# Altium PCB Ali_Main_Board.PcbDoc (part 2 of 3)
Units mm, origin at the board's own origin, x right, y up, seen from the top; angles counter-clockwise.
Board outline 180.2 x 130.2 mm, 2 copper layers (Top Layer, Bottom Layer); 286 components, 198 nets, 878 pads, 305 vias.
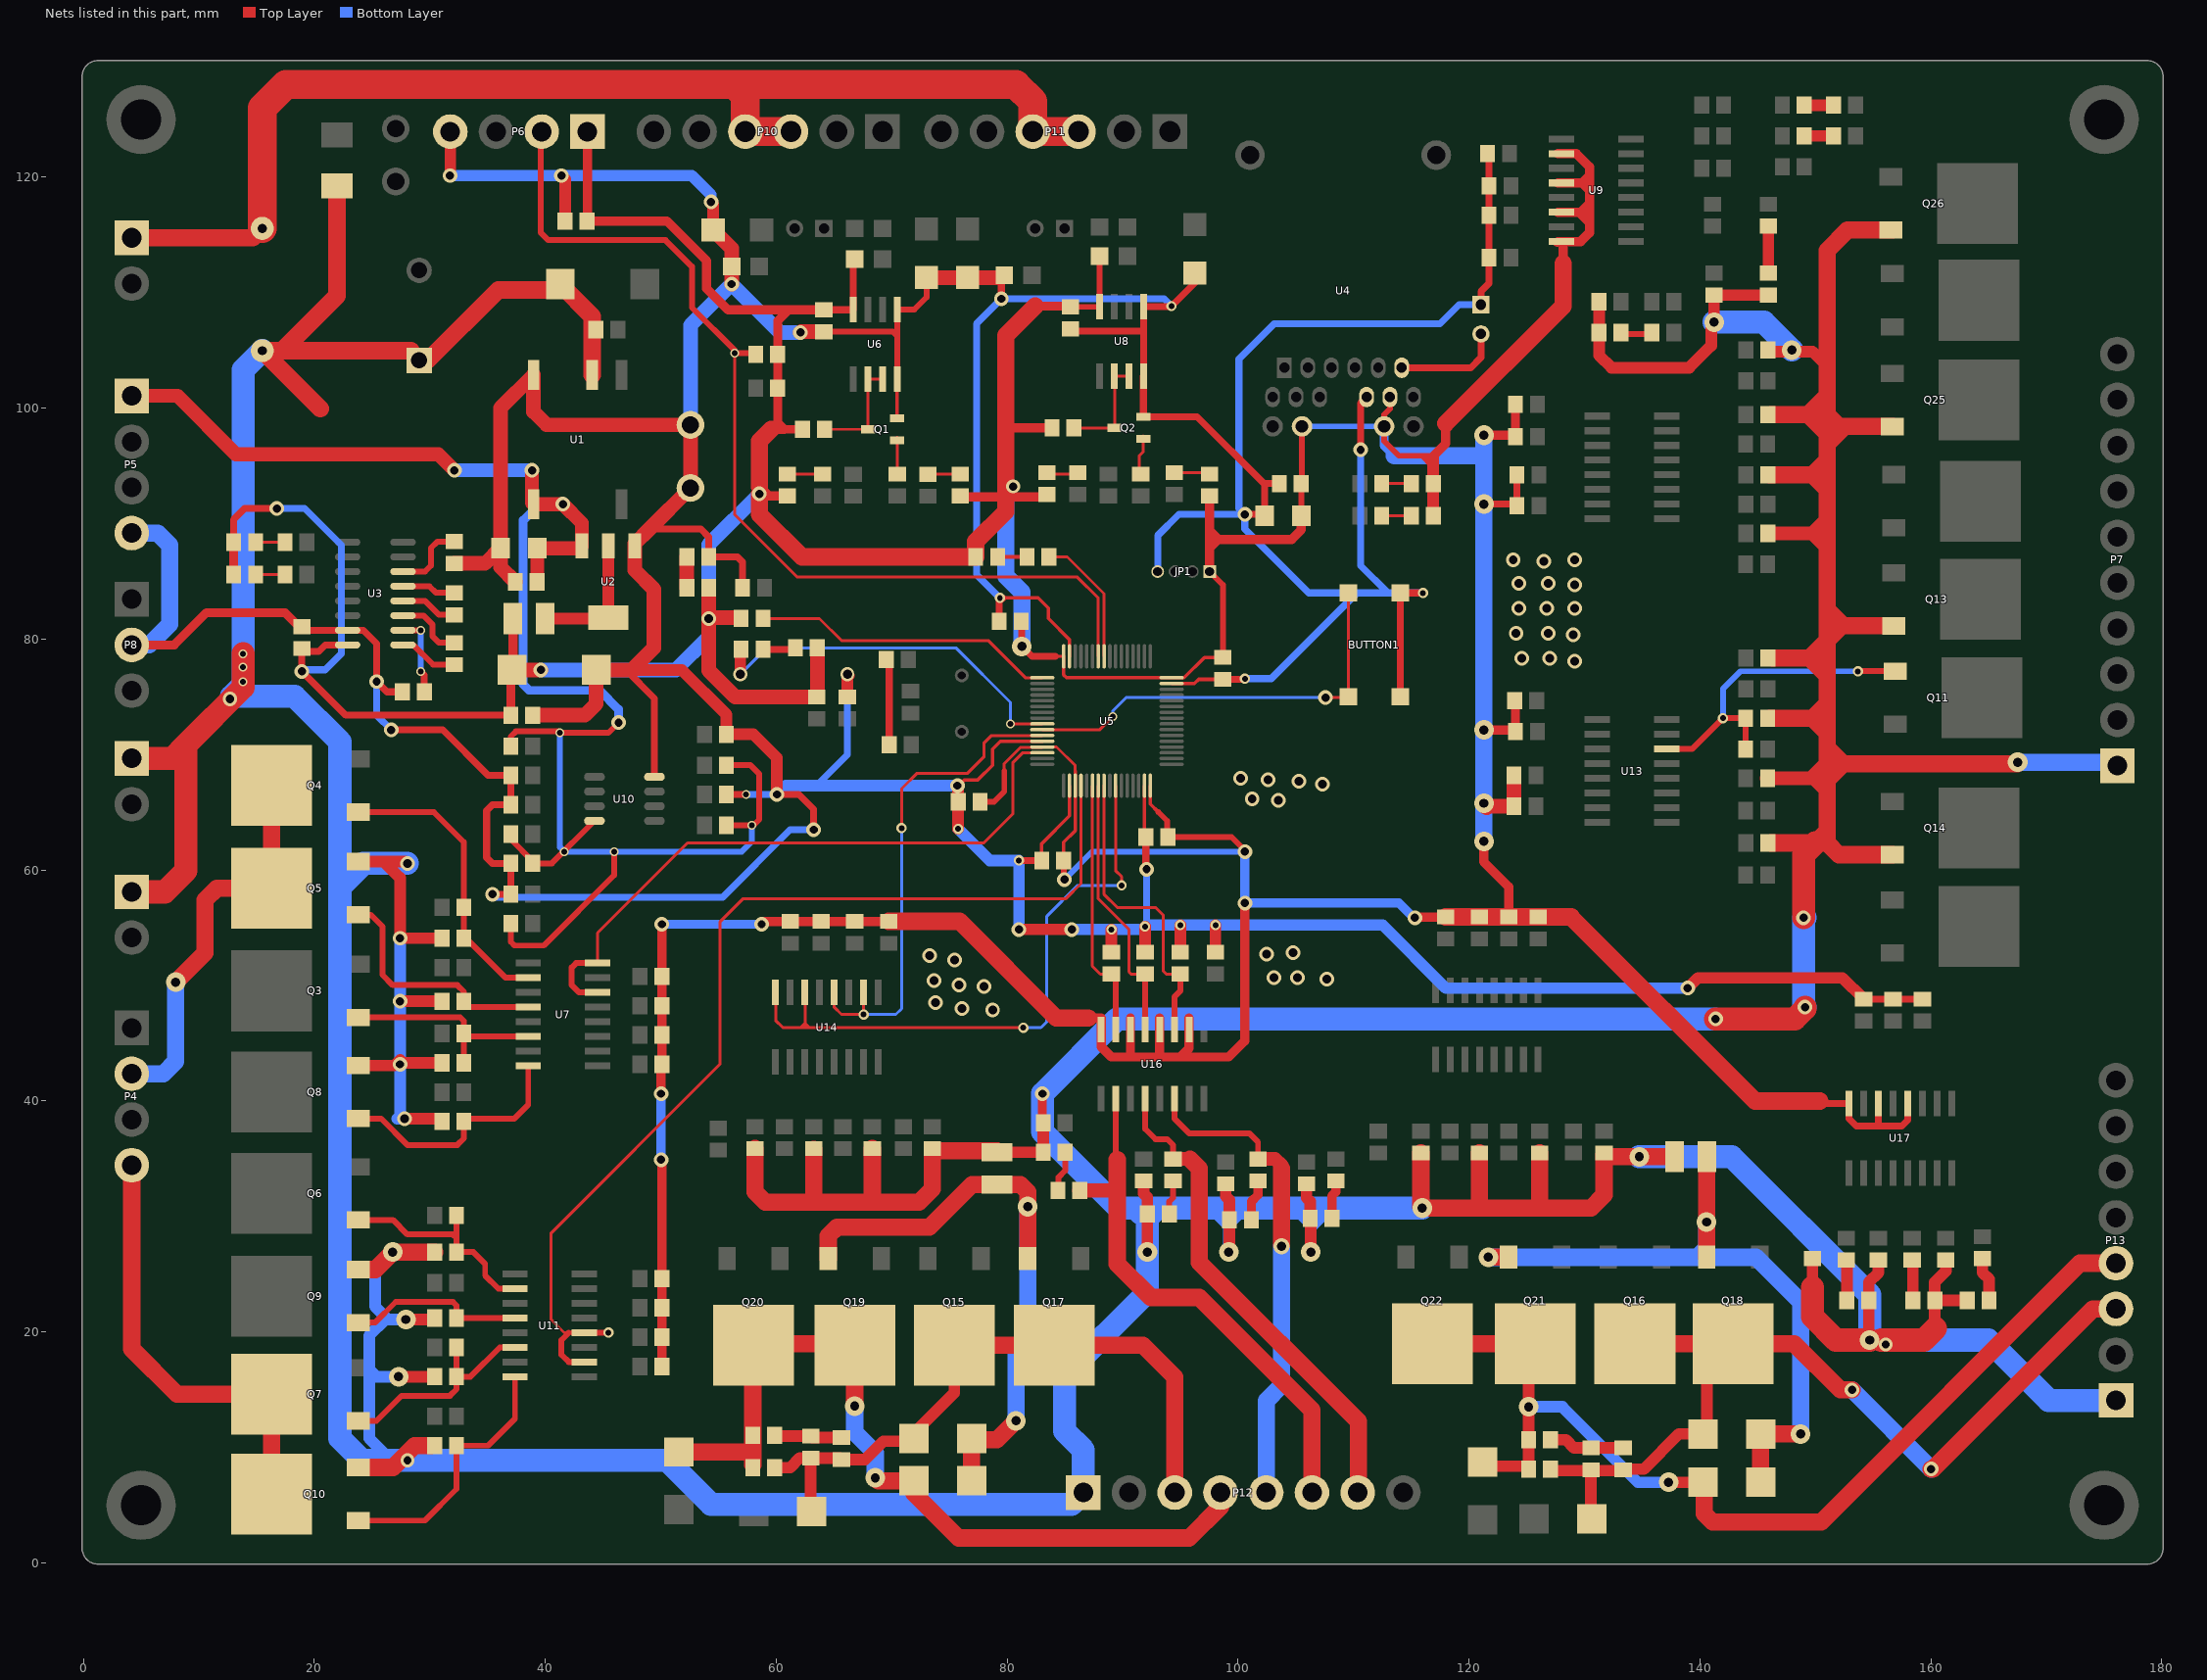
[diagram p2: the nets of this part, all layers, seen from the top]

## Via types
v1: diameter 1.27, hole 0.762, Top Layer to Bottom Layer, 77 vias
v2: diameter 0.889, hole 0.508, Top Layer to Bottom Layer, 68 vias
v3: diameter 1.27, hole 0.711, Top Layer to Bottom Layer, 57 vias
v4: diameter 1.7, hole 0.8, Top Layer to Bottom Layer, 56 vias
v5: diameter 0.762, hole 0.508, Top Layer to Bottom Layer, 31 vias
v6: diameter 1.2, hole 0.7, Top Layer to Bottom Layer, 5 vias
v7: diameter 1.4, hole 0.7, Top Layer to Bottom Layer, 5 vias
v8: diameter 1.2, hole 0.8, Top Layer to Bottom Layer, 2 vias
v9: diameter 1.4, hole 0.8, Top Layer to Bottom Layer, 2 vias
v10: diameter 3.4, hole 3.4, Top Layer to Bottom Layer, 2 vias

## Nets (pads, with @x,y where several pads share a name; then routed paths per layer and width w, separated by ;. In a path a pad name is that pad's centre, name@x,y a point inside that pad or via, vN(x,y) a via of type N, cw(c..) or ccw(c..) an arc to the next point about the centre after c; other vN are vias at no path point) (continued)
+3.3V: C1.2 C6.1 C7.2 C9.1 C13.1 C14.2 C15.2 C17.2 C19.2 C20.2 C21.2 C23.1 C28.1 D4.1 F2.2 JP1.1 P6.1 R1.1 R2.1 R3.1 R4.1 R5.1 R6.1 R8.1 R9.1 R10.1 R11.1 R13.1 R14.1 R16.2 R17.1 R18.1 R19.1 R28.1 R29.1 R34.1 R35.1 R37.1 R38.1 R39.2 R52.1 R74.2 R75.2 R76.2 R77.2 R89.1 R90.1 R91.1 R92.1 R103.2 R104.2 R105.2 R106.2 R123.2 R124.2 R125.1 R126.1 R133.1 R135.1 U3.16 U4.11 U4.14 U4.15 U5.13 U5.19 U5.32 U5.48 U5.64 U6.8 U8.8 U9.10 U9.12 U9.14 U9.16 U16.10 U16.12 U16.14 U16.16 U17.12 U17.14 U17.16 | length 712.4
  Top Layer w0.254: 79.756,68.58 79.756,69.215 81.18,70.639 83.023,70.639 U5.13@83.046,70.662 ; U5.13@83.069,70.685 U5.13@83.046,70.662 ; 84.175,78.512 U5.64@84.896,78.512 ; 85.896,68.58 85.896,69.044 84.278,70.662 U5.13@83.046,70.662
  Top Layer w0.3: U5.64@84.896,78.512 84.896,76.902 85.136,76.662 U5.48@94.246,76.662 95.331,76.662 97.089,78.42 C19.2@98.171,78.42 ; C15.2@84.897,60.833 84.897,62.418 85.896,63.417 U5.19@85.896,67.312 85.896,68.58 ; U5.32@92.396,67.312 92.396,65.719 93.091,65.024
  Top Layer w0.5: C21.2@77.658,65.913 78.867,65.913 79.756,66.802 79.756,68.58 ; C28.1@85.471,108.773 87.993,108.773 U8.8@88.011,108.791 R135.1@88.011,113.157 ; 93.091,65.024 93.853,64.262 C17.2@93.853,62.865 ; C17.2@93.914,62.865 99.441,62.865 v3@100.518,61.788 ; C13.1@105.486,90.678 105.471,90.693 C14.2@105.471,93.472 105.537,93.538 U4.14@105.537,98.425 ; U4.11@113.157,100.965 113.157,99.949 112.649,99.441 U4.15@112.649,98.425 112.649,97.155 113.919,95.885 115.951,95.885 ; 116.332,95.885 116.887,95.33 ; 116.887,94.996 116.84,94.996 ; 115.951,95.885 116.84,94.996 ; 115.951,95.885 116.927,95.885 117.137,96.096 117.137,95.293 116.84,94.996
  Top Layer w0.508: C15.2@84.897,60.833 84.897,59.243 v3(84.958,59.182) ; JP1.1@97.536,85.852 98.679,84.709 C19.2@98.679,78.42
  Top Layer w0.6: R2.1@13.02,88.392 13.02,90.363 13.97,91.313 v3(16.764,91.313) ; C9.1@18.923,79.187 C9.1@18.923,78.933 ; U3.16@22.281,79.502 20.955,79.502 20.386,78.933 C9.1@18.923,78.933 ; C7.2@37.023,73.406 22.733,73.406 v3(18.923,77.216) C9.1@18.923,78.933 ; C23.1@64.135,108.519 66.657,108.519 U6.8@66.675,108.537 66.675,112.776 R133.1@66.802,112.903 ; C20.2@81.214,81.534 81.28,81.468 v4(81.28,79.375) 82.143,78.512 84.175,78.512 ; v4(121.285,91.694) R106.2@123.891,91.694 ; R106.2@124.145,91.567 R105.2@124.145,94.234 ; 150.368,40.005 150.591,39.782 U17.16@152.908,39.782 152.908,38.481 153.543,37.846 155.321,37.846 ; U17.14@155.448,39.782 155.448,37.973 155.321,37.846 ; U17.12@157.988,40.203 U17.12@157.988,39.782 157.988,38.354 157.48,37.846 155.321,37.846
  Top Layer w0.762: 61.087,108.519 60.132,107.564 R8.1@60.132,104.648 R9.1@60.132,101.727 60.132,98.745 60.706,98.171 R34.1@62.296,98.171
  Top Layer w0.8: R3.1@13.02,85.598 R2.1@13.02,88.392 ; C7.2@37.023,73.406 37.023,77.249 C6.1@37.117,77.343 37.208,77.434 F2.2@37.208,81.788 ; C7.2@37.117,73.439 C7.2@37.15,73.406 ; C1.2@43.622,116.205 C1.2@43.659,116.205 ; P6.1@43.659,123.952 C1.2@43.659,116.205 ; v3(50.038,34.925) 50.099,34.864 R39.2@50.099,24.638 R52.1@50.099,22.098 R38.1@50.099,19.558 R37.1@50.099,17.018 ; v3(50.038,40.64) 50.038,43.119 R16.2@50.099,43.18 R19.1@50.099,50.8 v3(50.099,55.311) ; 58.547,93.218 59.37,92.395 ; v3(58.74,55.311) 58.989,55.56 R124.2@61.228,55.56 R89.1@69.737,55.56 ; 59.563,92.395 R14.1@61.087,92.395 ; 59.563,98.171 60.706,98.171 ; C23.1@64.135,108.519 61.087,108.519 55.819,108.519 53.975,110.363 53.975,112.776 50.546,116.205 C1.2@43.659,116.205 ; R13.1@75.894,92.329 R29.1@82.931,92.329 ; 79.883,98.298 R35.1@83.886,98.298 ; 82.423,108.839 85.405,108.839 C28.1@85.471,108.773 ; 87.037,47.202 88.138,47.202 88.138,44.704 89.027,43.815 90.551,43.815 ; U16.14@90.678,47.202 90.678,43.942 90.551,43.815 ; U16.12@93.218,47.202 93.218,43.942 93.091,43.815 ; U16.10@95.758,47.202 95.758,44.577 94.996,43.815 ; JP1.1@97.536,85.852 97.536,87.884 ; 97.536,89.408 98.298,88.646 ; R28.1@97.536,92.522 97.536,88.646 ; v3(100.584,57.15) 100.584,45.212 99.187,43.815 94.996,43.815 ; C13.1@105.486,90.678 105.471,90.663 105.471,89.469 104.648,88.646 98.425,88.646 ; v3(115.316,55.88) 115.377,55.941 R126.1@117.983,55.941 ; 116.629,95.588 117.983,96.941 117.983,98.171 118.237,98.425 ; R126.1@118.364,55.941 R92.1@123.444,55.941 123.444,58.547 121.285,60.706 v4(121.285,62.484) ; v4(121.285,72.136) R75.2@123.952,72.136 ; v4(121.285,97.663) R104.2@124.018,97.663 ; R74.2@123.952,74.676 124.018,74.61 R75.2@124.018,72.009 ; R104.2@124.018,97.536 R104.2@124.018,97.663 ; R103.2@124.018,100.33 R104.2@124.018,97.663 ; U9.16@127.635,114.371 127.691,114.427 129.667,114.427 130.429,115.189 130.429,120.904 129.286,122.047 U9.10@127.691,122.047 ; U9.14@127.691,116.967 129.54,116.967 ; U9.12@127.691,119.507 129.794,119.507 ; 128.143,112.522 128.143,113.863 ; 130.429,116.205 130.302,116.205 129.54,116.967 ; 130.429,116.967 129.54,116.967 ; 130.429,117.729 129.667,116.967 129.54,116.967 ; 130.429,118.872 129.794,119.507 ; 130.429,119.507 129.794,119.507 ; 130.429,120.142 129.794,119.507 ; 90.551,43.815 93.091,43.815 ; 93.091,43.815 94.996,43.815 ; 97.536,87.884 98.298,88.646 ; 97.536,87.884 97.536,88.646 ; 97.536,88.646 98.425,88.646 ; 98.298,88.646 98.425,88.646
  Top Layer w1: R4.1@116.887,90.678 116.887,95.33
  Top Layer w1.27: C6.1@37.117,77.343 v3(39.624,77.343) ; R1.1@54.163,84.455 v1@54.163,81.849 ; D4.1@56.962,81.788 56.901,81.849 v1@54.163,81.849 ; v3(58.547,92.583) 58.547,93.218 ; R10.1@63.561,79.248 63.561,75.052 R6.1@63.5,74.991 56.454,74.991 54.163,77.282 v1(54.163,81.788) v1@54.163,81.849 ; v4@121.539,65.532 R77.2@123.891,65.532 R76.2@123.891,68.199
  Top Layer w1.5: v3(58.547,92.583) 58.547,90.805 62.23,87.122 R11.1@77.282,87.122 77.282,88.458 79.883,91.059 79.883,106.299 82.423,108.839 ; 58.547,93.218 58.547,97.155 59.563,98.171 ; R89.1@69.737,55.56 R89.1@69.737,55.56 75.882,55.562 84.243,47.202 87.037,47.202 ; R126.1@117.983,55.941 R125.1@120.904,55.941 R92.1@123.444,55.941 R91.1@125.984,55.941 128.844,55.941 144.78,40.005 150.368,40.005 ; 117.983,98.679 128.143,108.839 128.143,112.522 ; v4(121.285,65.786) v4@121.539,65.532
  Bottom Layer w0.5: U4.14@105.537,98.425 U4.15@112.649,98.425
  Bottom Layer w0.508: v3(84.958,59.182) 87.371,61.595 v3(100.584,61.595)
  Bottom Layer w0.6: v3@16.571,91.12 v3(16.764,91.313) 19.177,91.313 22.352,88.138 22.352,78.74 20.955,77.343 19.05,77.343 v3(18.923,77.216)
  Bottom Layer w0.8: v3(50.038,34.925) v3(50.038,40.64) ; v3(50.099,55.311) v3(58.74,55.311) ; v3(100.584,61.595) v3(100.584,57.15) 113.919,57.15 115.189,55.88 v3(115.316,55.88) ; U4.15@112.649,98.425 112.649,96.774 113.538,95.885
  Bottom Layer w1.27: v3(39.624,77.343) 51.308,77.343 54.163,80.198 v1(54.163,81.788) 54.163,88.199 v3(58.547,92.583)
  Bottom Layer w1.5: 79.883,92.964 79.883,85.471 81.28,84.074 ; v4(81.28,79.375) 81.28,83.82 ; 113.538,95.885 121.158,95.885 ; v4(121.285,62.484) v4(121.285,65.786) v4(121.285,72.136) v4(121.285,91.694) v4(121.285,97.663)
  other v6: 80.518,93.218
+5V: C4.1 C5.2 C33.2 P5.1 R73.1 R138.2 R139.2 R140.1 R141.2 U1.5 U2.3 U10.8 | length 157.2
  Top Layer w0.508: R138.2@37.023,55.372 37.023,53.782 37.338,53.467 39.878,53.467 45.974,59.563 v5(45.974,61.595) ; R141.2@37.023,63.119 37.023,62.672 C33.2@38.923,60.772 ; R140.1@37.023,70.739 37.023,71.567 37.465,72.009 41.148,72.009 v5(41.275,71.882) 45.466,71.882 v3(46.355,72.771) ; C33.2@38.923,60.579 40.58,60.579 U10.8@44.263,64.262 ; v3(41.529,91.694) v3@41.541,91.682 ; R139.2@55.687,63.881 v5(57.912,63.881) 58.039,63.881 58.547,64.389 58.547,68.326 57.785,69.088 R73.1@55.687,69.088
  Top Layer w1.2: P5.1@4.191,101.063 8.157,101.063 13.208,96.012 30.734,96.012 v3(32.131,94.615) ; v3(38.862,94.615) 38.862,91.809 U1.5@38.989,91.682 41.541,91.682 43.166,90.057 U2.3@43.166,88.063 42.972,87.869 39.304,87.869 C5.2@39.304,84.963
  Bottom Layer w0.508: v5(41.275,71.882) 41.275,61.976 v5(41.656,61.595) v5(45.974,61.595) 57.023,61.595 57.912,62.484 v5(57.912,63.881)
  Bottom Layer w0.762: v3(41.529,91.694) 39.497,91.694 38.1,90.297 38.1,76.073 38.608,75.565 44.704,75.565 46.355,73.914 v3(46.355,72.771)
  Bottom Layer w1.2: v3(32.131,94.615) v3(38.862,94.615)
+24V: C2.1 C3.2 C36.1 D1.2 F1.2 F3.2 F4.2 P2.1 P3.1 P7.1 P12.1 P13.1 Q5.3 Q8.3 Q9.3 Q10.3 Q13.3 Q14.3 Q25.3 Q26.3 R24.2 R25.2 R26.2 R27.2 R42.1 R43.1 R46.1 R47.1 R55.2 R56.2 R57.2 R58.2 R60.1 R61.1 R63.1 R64.1 R66.1 R67.1 R69.1 R70.1 R78.1 R79.1 R82.2 R83.2 R85.2 R87.2 R93.2 R95.2 R96.2 R97.2 R107.2 R108.2 R109.2 R110.2 R117.2 R118.2 R119.2 R120.2 R127.1 R128.1 R129.1 R130.1 U1.2 | length 918.6
  Top Layer w0.762: v3(83.058,40.64) 83.058,38.166 R67.1@83.124,38.1
  Top Layer w1: Q8.3@23.816,43.081 26.952,43.081 27.432,43.561 27.686,43.307 R25.2@31.054,43.307 ; Q5.3@23.816,60.734 26.035,60.734 ; v4(27.305,16.129) R56.2@30.419,16.129 ; v3(27.432,48.641) R26.2@31.054,48.641 ; v1(27.813,38.481) R24.2@31.054,38.481 ; v4(27.94,21.082) 30.292,21.082 R57.2@30.419,21.209 ; v1(28.067,60.579) 27.912,60.734 26.035,60.734 ; R27.2@31.054,54.102 v3(27.432,54.102) 27.432,59.337 26.035,60.734 ; F3.2@79.121,35.563 R66.1@83.121,35.563 ; R66.1@83.124,35.56 R67.1@83.124,38.1 ; R70.1@91.821,33.086 91.821,32.004 92.141,31.684 R69.1@92.141,30.226 v4@92.141,26.985 ; R79.1@98.933,32.832 98.933,31.75 99.253,31.43 99.253,26.99 v4(99.187,26.924) ; R64.1@105.918,32.832 105.918,31.623 106.238,31.303 R63.1@106.238,29.845 106.299,29.784 v4(106.299,26.924) ; R46.1@131.257,109.22 R42.1@131.257,106.553 131.257,104.582 132.334,103.505 139.065,103.505 140.97,105.41 140.97,107.188 v4(141.224,107.442) R47.1@141.224,109.794 R43.1@145.923,109.794 ; R117.2@145.923,104.902 149.733,104.902 151.003,103.632 151.003,103.505 ; 149.733,23.876 R61.1@149.733,26.355 ; v4(154.686,19.304) 154.62,19.37 R60.1@154.62,22.733 154.62,24.318 155.448,25.146 R129.1@155.448,26.228 ; 160.401,20.32 160.335,20.386 R127.1@160.335,22.733 ; R130.1@161.29,26.228 161.29,25.273 160.335,24.318 R127.1@160.335,22.733 ; R128.1@163.134,22.733 R127.1@160.335,22.733
  Top Layer w1.2: R85.2@145.796,67.945 149.606,67.945 ; R120.2@145.871,89.154 149.733,89.154 ; 150.749,67.945 149.606,67.945 ; 151.003,66.802 149.86,67.945 149.606,67.945 ; 151.003,69.469 151.003,69.342 149.606,67.945 ; 151.003,87.757 151.003,87.884 149.733,89.154 ; 151.003,89.154 149.733,89.154 ; 151.003,90.551 151.003,90.424 149.733,89.154
  Top Layer w1.5: 20.523,99.949 F1.2@15.494,104.978 17.221,104.978 ; D1.2@21.971,119.253 21.971,109.728 17.221,104.978 ; Q10.3@23.816,8.269 26.811,8.269 28.702,10.16 R55.2@30.099,10.16 ; Q9.3@23.816,25.414 25.287,25.414 v4(26.797,26.924) R58.2@30.419,26.924 ; C36.1@28.372,104.978 17.221,104.978 ; C36.1@29.083,104.14 29.845,104.14 35.941,110.236 C2.1@40.292,110.236 ; C2.1@41.308,110.744 41.308,110.711 44.069,107.95 U1.2@44.069,102.882 ; R108.2@58.166,35.88 58.166,32.131 59.055,31.242 72.39,31.242 73.533,32.385 73.533,35.623 73.597,35.687 F3.2@79.121,35.687 ; 63.246,31.496 R107.2@63.246,35.828 ; 68.326,31.242 R97.2@68.326,35.88 ; R110.2@115.824,35.499 115.824,30.861 v4(115.951,30.734) 130.556,30.734 131.699,31.877 R95.2@131.699,35.306 ; 120.904,30.734 R109.2@120.904,35.499 ; 125.984,30.734 126.111,30.861 R96.2@126.111,35.499 ; R95.2@131.768,35.179 v4(134.747,35.179) F4.2@137.792,35.179 ; R83.2@146.05,73.152 149.733,73.152 ; R119.2@146.05,94.234 149.733,94.234 ; R87.2@146.177,62.357 149.987,62.357 ; R118.2@146.177,99.441 149.352,99.441 ; R82.2@146.304,78.359 149.479,78.359 ; 150.749,78.359 149.479,78.359 ; 150.876,73.152 149.733,73.152 ; 151.003,69.342 151.003,67.945 ; 151.003,69.596 151.003,70.612 ; 151.003,87.757 151.003,82.55 ; 151.003,87.884 151.003,89.154 151.003,90.424 151.003,92.964 ; 151.003,103.505 151.003,101.092 ; 151.003,103.632 151.003,113.665 152.767,115.429 Q26.3@156.665,115.429 ; 151.257,69.215 152.4,69.215 ; 151.592,98.425 152.527,98.425 ; 151.638,81.153 152.4,81.153 ; Q14.3@156.651,61.327 152.033,61.327 151.003,62.357 ; Q13.3@156.679,81.153 152.4,81.153 ; Q25.3@156.718,98.425 152.527,98.425 ; v4@167.473,69.215 152.4,69.215 ; 149.352,99.441 151.003,101.092 ; 149.352,99.441 151.003,97.79 ; 149.352,99.441 151.003,99.441 ; 149.479,78.359 152.273,81.153 152.4,81.153 ; 149.479,78.359 150.749,77.089 151.003,77.089 ; 149.733,73.152 151.003,71.882 ; 149.733,73.152 151.003,74.422 ; 149.733,94.234 151.003,95.504 ; 149.733,94.234 151.003,92.964 ; 149.733,94.234 151.003,94.234 ; 149.987,62.357 151.003,63.373 ; 149.987,62.357 151.003,62.357 ; 151.003,62.357 151.003,63.373 ; 151.003,63.373 151.003,66.802 151.003,67.945 ; 151.003,67.945 151.13,67.945 152.4,69.215 ; 151.003,70.612 152.4,69.215 ; 151.003,70.612 151.003,71.882 ; 151.003,71.882 151.003,74.422 ; 151.003,74.422 151.003,77.089 ; 151.003,77.089 151.003,82.55 ; 151.003,82.55 152.4,81.153 ; 151.003,92.964 151.003,94.234 ; 151.003,94.234 151.003,95.504 ; 151.003,95.504 151.003,96.901 ; 151.003,96.901 152.527,98.425 ; 151.003,96.901 151.003,97.79 ; 151.003,97.79 151.003,99.441 ; 151.003,99.441 152.019,98.425 152.527,98.425 ; 151.003,99.441 151.003,101.092
  Top Layer w2: P2.1@4.191,58.114 7.06,58.114 8.897,59.951 8.897,70.873 ; P3.1@4.191,69.671 7.695,69.671 8.897,70.873 ; v5(13.843,78.74) v5(13.843,77.597) v5(13.843,76.327) 13.843,75.819 8.897,70.873 ; v3(141.351,47.117) 148.209,47.117 149.098,48.006 v3(149.098,48.132) ; v3(148.971,55.88) 148.971,61.341 149.987,62.357 ; 149.733,23.876 149.733,21.336 151.765,19.304 v4(154.686,19.304) ; v6@155.702,19.304 159.385,19.304 160.401,20.32
  Bottom Layer w1: 26.67,8.89 24.765,10.795 24.765,16.764 ; v4(26.797,26.924) 25.273,25.4 25.273,22.225 26.416,21.082 ; v1@27.178,38.481 v1(27.813,38.481) 27.432,38.862 v3(27.432,48.641) v3(27.432,54.102) ; v4(27.305,16.129) 25.4,16.129 24.765,16.764 ; v4(27.94,21.082) 26.416,21.082 ; 91.06,30.098 91.313,29.845 ; 92.904,29.91 93.092,30.098 ; 98.043,30.354 99.059,29.338 ; v4(99.187,26.924) 99.187,30.353 99.568,30.734 ; 99.188,29.338 100.204,30.354 ; 105.155,30.481 106.171,29.465 ; v4(106.299,26.924) 106.299,30.607 106.426,30.734 ; 106.299,29.083 107.315,30.099 ; 24.765,16.764 24.765,19.685 26.162,21.082 26.416,21.082
  Bottom Layer w1.5: v4(167.513,69.342) 175.728,69.342 P7.1@176.149,68.921
  Bottom Layer w2: P3.1@4.191,69.671 P3.1@4.52,69.342 ; F1.2@15.494,104.978 13.843,103.327 v5(13.843,78.74) v5(13.843,77.597) v5(13.843,76.327) 13.843,76.073 12.827,75.057 18.173,75.057 18.183,75.048 18.297,75.048 22.225,71.12 22.225,58.547 ; v1(28.067,60.579) 24.257,60.579 22.225,58.547 ; 92.141,30.673 v4(92.141,26.924) 92.141,23.434 84.963,16.256 84.963,11.43 86.597,9.796 P12.1@86.597,6.096 85.581,5.08 54.356,5.08 50.546,8.89 v6(28.067,8.89) 26.67,8.89 24.13,8.89 22.225,10.795 22.225,58.547 ; 92.141,30.734 89.662,30.734 83.058,37.338 v3(83.058,40.64) 89.535,47.117 v3(141.351,47.117) ; 92.202,30.734 99.568,30.734 106.426,30.734 v4(115.951,30.734) ; v4(134.747,35.179) 142.748,35.179 154.686,23.241 v4@154.686,20.066 ; v4(141.224,107.442) 145.542,107.442 v4(147.955,105.029) ; v3@149.098,48.142 148.971,48.269 v3(148.971,55.88) v3@149.098,55.88 ; 156.718,19.304 164.973,19.304 170.197,14.08 P13.1@176.022,14.08
  other v1: 12.7,74.803
  other v3: 27.432,43.18
  other v6: 156.083,18.923
+24VIN: F1.1 P1.1 P10.3 P10.4 P11.3 P11.4 | length 105.2
  Top Layer w1.5: P1.1@4.191,114.756 14.68,114.756 F1.1@15.494,115.57
  Top Layer w2.5: F1.1@15.494,115.57 15.494,125.984 17.526,128.016 56.388,128.016 ; P10.3@61.289,123.952 P10.4@57.329,123.952 57.329,127.075 56.388,128.016 ; P11.3@86.181,123.952 P11.4@82.221,123.952 82.221,126.567 80.772,128.016 56.388,128.016
A1: C31.2 D6.1 D7.2 LED14.2 LED16.1 P12.3 Q15.2 Q17.2 | length 57.7
  Top Layer w1: C31.2@59.878,8.255 61.214,8.255 62.042,9.083 LED14.2@62.992,9.083 ; D7.2@62.992,4.445 LED14.2@62.992,9.083 ; Q15.2@75.438,18.856 75.438,14.732 71.922,11.216 D6.1@71.922,10.795 71.922,10.541 69.276,10.541 67.691,8.956 LED16.1@65.659,8.956 65.532,9.083 LED14.2@62.992,9.083
  Top Layer w1.5: Q15.2@75.438,18.856 Q17.2@84.074,18.856 91.761,18.856 94.517,16.1 P12.3@94.517,6.096
A2: C32.2 D10.1 D11.2 LED15.2 LED17.1 P13.3 Q16.2 Q18.2 | length 79.5
  Top Layer w1: C32.2@127.061,8.128 127.188,8.001 LED17.1@130.516,8.001 ; D11.2@130.556,3.81 130.556,8.001 LED15.2@133.096,8.001 ; LED15.2@133.665,8.133 135.133,8.133 138.176,11.176 D10.1@140.248,11.176 D10.1@139.867,11.557 ; Q16.2@134.366,18.983 Q16.2@134.427,18.922 ; Q18.2@140.248,16.356 Q18.2@142.875,18.983 ; D10.1@140.589,11.176 Q18.2@140.589,16.356
  Top Layer w1.5: Q16.2@134.366,18.983 Q18.2@142.875,18.983 148.149,18.983 152.146,14.986 v3(153.162,14.986) ; v3(160.02,8.128) 160.147,8.128 174.019,22 P13.3@176.022,22
  Bottom Layer w1.5: v3(153.162,14.986) v3(160.02,8.128)
B1: C31.1 D8.1 D9.2 P12.4 Q19.2 Q20.2 R101.1 | length 73
  Top Layer w1.5: D9.2@51.562,9.612 57.764,9.612 57.978,9.398 ; C31.1@57.978,8.509 R101.1@57.978,11.049 Q20.2@57.978,18.983 ; Q20.2@58.039,18.983 66.675,18.983 Q19.2@66.802,18.856 v4(66.802,13.589) ; v4(68.58,7.366) 68.834,7.112 D8.1@71.922,7.112 71.922,6.056 75.819,2.159 95.758,2.159 98.477,4.878 P12.4@98.477,6.096
  Bottom Layer w1.5: v4(66.802,13.589) 66.802,11.303 68.58,9.525 v4(68.58,7.366)
B2: C32.1 D12.1 D13.2 P13.4 Q21.2 Q22.2 R102.1 | length 90.1
  Top Layer w1: D13.2@121.412,8.382 C32.1@124.947,8.382 ; C32.1@124.947,8.342 C32.1@125.161,8.128 R102.1@125.161,10.668 v4(125.161,13.523) ; v4@125.095,13.589 v4(125.161,13.523) ; Q21.2@125.73,18.983 125.161,18.414 v4(125.161,13.523) ; v4(137.287,6.985) D12.1@140.248,6.985 D12.1@140.375,6.985
  Top Layer w1.5: Q22.2@116.967,18.856 Q22.2@116.84,18.983 Q21.2@125.73,18.983 ; D12.1@140.375,6.985 140.375,4.278 141.097,3.556 150.495,3.556 172.899,25.96 P13.4@176.022,25.96
  Bottom Layer w1: v4(125.161,13.523) 128.082,13.523 134.62,6.985 v4@137.414,6.985
DATA: P6.2 R8.2 U5.58 | length 87.9
  Top Layer w0.254: P6.2@39.116,123.369 P6.2@39.471,123.724 ; v5(56.388,104.775) 56.388,90.805 61.83,85.363 86.087,85.363 87.896,83.554 U5.58@87.896,78.512 U5.58@87.919,78.535
  Top Layer w0.508: P6.2@39.471,123.724 39.624,123.571 39.624,115.189 40.259,114.554 50.419,114.554 52.705,112.268 52.705,108.712 56.388,105.029 v5(56.388,104.775) 58.105,104.775 R8.2@58.232,104.648
DIR1: P4.2 Q4.2 Q5.2 | length 34.1
  Top Layer w1.5: v4(8.001,50.292) 10.541,52.832 10.541,57.404 11.571,58.434 Q5.2@16.316,58.434 Q4.2@16.316,67.324
  Bottom Layer w1.5: P4.2@4.191,42.366 6.933,42.366 8.001,43.434 v4@8.001,50.038
DIR1_OUT: U5.14 U7.6 U7.8 | length 56.6
  Top Layer w0.254: U7.8@44.529,51.943 44.529,54.562 52.324,62.357 77.978,62.357 80.518,64.897 80.518,69.335 81.322,70.139 83.023,70.139 U5.14@83.046,70.162
  Top Layer w0.508: U7.6@44.529,49.403 42.926,49.403 42.291,50.038 42.291,51.562 42.672,51.943 U7.8@44.529,51.943
DIR2: P4.4 Q7.2 Q10.2 | length 38.3
  Top Layer w1.5: P4.4@4.191,34.446 4.191,18.542 8.128,14.605 Q7.2@16.316,14.605 Q10.2@16.316,5.969
DIR2_OUT: U5.20 U11.2 U11.4 | length 92.5
  Top Layer w0.254: U11.4@42.418,19.939 42.037,19.939 41.656,19.939 40.513,21.082 40.513,28.575 55.118,43.18 55.118,55.499 57.15,57.531 85.09,57.531 86.396,58.837 U5.20@86.396,67.312
  Top Layer w0.508: 42.037,19.939 41.402,19.304 41.402,18.034 42.037,17.399 U11.2@43.386,17.399 ; U11.4@42.418,19.939 U11.4@43.386,19.939 v2(45.466,19.939)
  Bottom Layer w0.254: 44.45,20.066 44.577,19.939 v2(45.466,19.939)
GND: BUTTON1.3 BUTTON1.4 C1.1 C4.2 C5.1 C6.2 C7.1 C8.2 C9.2 C10.2 C13.2 C14.1 C15.1 C16.1 C17.1 C18.1 C19.1 C20.1 C21.1 C22.1 C23.2 C28.2 C29.2 C30.1 C33.1 C34.2 C35.1 CB1.1 D5.2 D14.1 D15.2 D16.1 JP1.4 LED1.2 P5.4 P6.4 P8.2 PT3.1 PT4.1 Q1.2 Q2.2 R7.1 R48.1 R49.1 R50.1 R51.1 R62.1 R65.1 R68.1 R71.1 R80.1 R131.1 R132.1 R134.2 R136.2 R137.2 U1.4 U2.1 U3.15 U4.10 U5.12 U5.18 U5.31 U5.47 U5.63 U6.4 U6.5 U8.4 U8.5 U10.4 | length 726.6
  Top Layer w0.3: Q1.2@70.465,99.375 Q1.2@70.485,99.395 ; Q1.2@70.485,99.375 Q1.2@70.485,99.395 ; U6.4@70.485,102.489 Q1.2@70.485,99.395 ; v3@75.758,67.244 76.332,67.818 77.47,67.818 78.74,69.088 78.74,70.485 79.417,71.162 U5.12@83.046,71.162 ; v2@79.629,83.566 82.677,83.566 83.566,82.677 83.566,81.788 85.396,79.958 U5.63@85.396,78.512 ; C15.1@82.997,60.833 82.997,62.296 85.396,64.695 U5.18@85.396,67.312 ; 91.628,106.873 91.821,106.68 ; U8.4@91.801,102.771 U8.4@91.821,102.791 ; C17.1@91.896,62.865 U5.31@91.896,67.312 ; U5.47@94.246,76.162 96.228,76.162 96.586,76.52 C19.1@98.171,76.52
  Top Layer w0.508: C23.2@64.135,106.619 70.104,106.619 70.485,106.238 ; U6.4@70.485,102.489 U6.4@70.485,102.537 70.485,106.238 ; D5.2@73.025,111.311 73.025,109.601 71.961,108.537 U6.5@70.485,108.537 70.485,106.238
  Top Layer w0.6: C9.2@18.923,80.833 18.984,80.772 U3.15@22.886,80.772 24.257,80.772 25.4,79.629 v3(25.4,76.327) 26.289,75.438 C8.2@27.625,75.438 ; v3(26.67,72.136) 31.115,72.136 35.052,68.199 C34.2@37.023,68.199 C35.1@37.023,65.659 35.433,65.659 34.925,65.151 34.925,61.087 35.433,60.579 C33.1@37.023,60.579 R137.2@37.023,57.912 v3(35.433,57.912) ; 46.99,77.343 49.463,74.87 U10.4@49.463,68.072 ; 49.022,89.535 53.467,89.535 54.163,88.839 LED1.2@54.163,87.122 56.647,87.122 57.089,86.68 R7.1@57.089,84.455 ; C30.1@55.687,66.548 v5(57.404,66.548) ; v3(60.071,66.548) 61.976,66.548 63.246,65.278 v3(63.246,63.5) ; C18.1@69.535,78.232 69.789,77.978 C16.1@69.789,70.866 ; C20.1@79.314,81.534 79.314,83.251 v2@79.629,83.566 ; v3(79.502,109.474) 79.502,111.252 R136.2@79.561,111.311 ; v2(81.026,60.833) C15.1@82.997,60.833 ; C28.2@85.664,106.68 91.821,106.68 ; U8.4@91.801,102.771 Q2.2@91.801,99.248 96.459,99.248 102.286,93.421 C13.2@102.286,90.678 102.159,90.805 v3(100.584,90.805) ; U8.4@91.821,102.791 U8.5@91.821,108.791 v2@94.282,108.791 ; C17.1@92.014,62.865 92.014,60.132 v3(92.075,60.071) ; v2(94.234,108.839) 96.266,110.871 D15.2@96.266,111.692 ; C19.1@98.171,76.52 C19.1@98.679,76.52 v2@100.264,76.52 ; 102.286,93.472 C14.1@103.571,93.472 ; v3(110.617,96.393) 110.617,100.457 U4.10@111.125,100.965 ; BUTTON1.3@114.049,75.002 BUTTON1.4@114.049,84.002 v2(116.006,84.002) ; CB1.1@121.031,108.966 121.031,110.109 121.732,110.81 R48.1@121.732,113.03 R49.1@121.732,116.713 R50.1@121.732,119.253 121.732,121.92 R51.1@121.605,122.047 ; R62.1@154.178,48.829 R131.1@156.718,48.829 R132.1@159.258,48.829
  Top Layer w0.762: P8.2@4.191,79.502 7.874,79.502 10.668,82.296 17.46,82.296 C9.2@18.923,80.833
  Top Layer w1: v3(31.75,120.142) 31.779,120.171 P6.4@31.779,123.952 ; v3(41.402,120.142) 41.722,119.822 C1.1@41.722,116.205 ; v3(54.356,117.856) 54.542,117.67 D14.1@54.542,115.443 ; C22.1@66.167,74.991 v8(66.167,76.962) v8@66.294,76.835 ; v2(75.758,63.566) C21.1@75.758,65.913 v3@75.758,67.244 ; v3(81.026,54.864) v3(85.598,54.864) ; R68.1@89.027,52.893 v2(89.027,54.864) ; R71.1@91.948,52.893 v2(91.948,55.118) ; R80.1@94.996,52.893 v2(94.996,55.245) ; R65.1@98.044,52.893 v2(98.044,55.245) ; v3(138.938,49.784) 139.827,50.673 152.334,50.673 R62.1@154.178,48.829
  Top Layer w1.016: 46.99,77.343 47.498,77.343 51.816,77.343 55.687,73.472 C29.2@55.687,71.755 58.039,71.755 60.071,69.723 v3(60.071,66.548)
  Top Layer w1.27: C10.2@32.131,86.553 34.788,86.553 C4.2@36.119,87.884 ; C5.1@37.404,84.963 36.119,86.248 C4.2@36.119,87.884 ; C7.1@38.923,73.406 43.434,73.406 44.417,74.389 C6.2@44.417,77.343 46.99,77.343 ; 47.498,77.343 49.403,79.248 49.403,84.328 47.766,85.965 U2.1@47.766,88.063 47.766,88.279 49.022,89.535 PT4.1@52.578,93.091 PT3.1@52.578,98.552 40.132,98.552 38.989,99.695 U1.4@38.989,102.882 36.119,100.012 C4.2@36.119,87.884 ; D14.1@54.542,115.443 56.134,113.851 R134.2@56.134,112.268 v3(56.134,110.744) ; v3(62.103,106.553) 62.169,106.619 C23.2@64.135,106.619 ; D5.2@73.025,111.311 D16.1@76.581,111.311 R136.2@79.561,111.311
  Bottom Layer w0.6: v3(25.4,76.327) 25.4,73.406 v3(26.67,72.136) ; v3(35.433,57.912) 35.687,57.658 55.372,57.658 61.214,63.5 v3(63.246,63.5) ; v5(57.404,66.548) v3(60.071,66.548) ; 63.5,67.31 66.167,69.977 v8(66.167,76.962) ; v2(79.375,83.566) 77.343,85.598 77.343,107.315 v3(79.502,109.474) 93.599,109.474 v2(94.234,108.839) ; v2@91.694,54.864 v2(91.948,55.118) 92.075,55.245 v3(92.075,60.071) ; JP1.4@93.036,85.852 93.036,88.972 94.869,90.805 v3(100.584,90.805) ; v2(100.584,76.581) 102.87,76.581 110.291,84.002 ; v3(110.617,96.393) 110.617,86.36 112.975,84.002 ; v2(116.006,84.002) 112.975,84.002 ; CB1.1@121.031,108.966 119.126,108.966 117.475,107.315 103.124,107.315 100.076,104.267 100.076,91.313 v3(100.584,90.805) ; v3(100.584,90.805) 100.584,89.535 106.117,84.002 110.291,84.002 ; 110.291,84.002 112.975,84.002
  Bottom Layer w1: v3(31.75,120.142) v3(41.402,120.142) 52.705,120.142 54.356,118.491 v3(54.356,117.856) ; v3(60.071,66.548) 60.833,67.31 63.5,67.31 v3(75.692,67.31) ; v2(75.758,63.566) 78.491,60.833 v2(81.026,60.833) v3(81.026,54.864) ; v3(85.598,54.864) v2(89.027,54.864) v2@91.694,54.864 ; v2@92.075,55.245 v2(94.996,55.245) v2(98.044,55.245) 112.522,55.245 117.983,49.784 v3(138.938,49.784)
  Bottom Layer w1.27: PT3.1@52.578,98.552 52.578,107.188 v3(56.134,110.744) 60.325,106.553 v3(62.103,106.553)
  Bottom Layer w1.5: P8.2@4.191,79.502 5.715,79.502 7.493,81.28 7.493,88.138 6.448,89.183 P5.4@4.191,89.183
  other v1: 78.74,47.879 76.073,48.006 73.787,48.514 77.978,49.911 75.819,50.038 73.66,50.419 107.696,50.546 103.124,50.673 105.156,50.673 75.438,52.197 73.279,52.578 102.489,52.705 104.775,52.832 103.505,66.04 101.219,66.167 107.315,67.437 105.283,67.691 102.616,67.818 100.203,67.945 129.159,78.105 124.587,78.359 127,78.359 129.032,80.391 124.079,80.518 126.873,80.518 124.333,82.677 126.746,82.677 129.159,82.677 129.159,84.709 124.333,84.836 126.873,84.836 126.492,86.741 123.825,86.868 129.159,86.868
LEFT-OPPOSITE: R80.2 U5.24 U16.11 | length 25.7
  Top Layer w0.254: U5.24@88.396,67.312 88.373,67.289 88.373,57.931 89.535,56.769 92.837,56.769 93.538,56.068 93.538,51.247 93.792,50.993 R80.2@94.996,50.993
  Top Layer w0.508: U16.11@94.488,47.202 94.488,49.022 94.996,49.53 R80.2@94.996,50.993
LEFT-OPPOSITESENSOR: LED22.2 P12.5 U16.6 | length 42.1
  Top Layer w0.5: U16.6@94.488,40.202 94.488,38.481 95.758,37.211 100.965,37.211 101.727,36.449 LED22.2@101.727,34.986
  Top Layer w1.2: LED22.2@101.727,34.986 103.19,34.986 103.759,34.417
  Top Layer w1.5: v9@103.759,27.559 103.759,34.163
  Bottom Layer w1.5: P12.5@102.437,5.969 102.437,14.045 103.759,15.367 v9(103.759,27.432)
LEFTGATE-A: U5.11 U14.2 U14.4 | length 43.9
  Top Layer w0.254: U14.4@65.038,49.403 65.038,48.119 65.659,47.498 v2(67.564,47.498) U14.2@67.564,49.403 67.564,49.968 U14.2@67.578,49.982 ; v2(70.866,63.627) 70.866,67.056 72.203,68.393 76.581,68.393 77.978,69.79 77.978,70.993 78.647,71.662 U5.11@83.046,71.662
  Bottom Layer w0.254: v2(67.564,47.498) 70.358,47.498 70.866,48.006 v2(70.866,63.627)
LEFTGATE-B: U5.26 U14.6 U14.8 | length 56.9
  Top Layer w0.254: U14.8@59.958,49.403 59.958,46.976 60.579,46.355 v2(81.407,46.355) ; 62.103,46.355 62.498,46.75 62.498,46.863 ; 62.498,46.355 62.498,46.863 ; U14.6@62.498,49.982 62.498,46.863 ; 62.865,46.355 62.498,46.722 62.498,46.863 ; U5.26@89.396,67.312 89.396,59.956 89.916,59.436 v2(89.916,58.674)
  Bottom Layer w0.254: v2(81.407,46.355) 82.931,46.355 83.439,46.863 83.439,56.007 86.106,58.674 v2(89.916,58.674)
LEFTS-CLOSE: R71.2 U5.23 U16.13 | length 22.5
  Top Layer w0.254: U5.23@87.896,67.312 87.896,57.519 90.551,54.864 90.551,51.181 90.739,50.993 R71.2@91.948,50.993
  Top Layer w0.508: U16.13@91.948,47.202 R71.2@91.948,50.993
LEFTS-OPEN: R68.2 U5.22 U16.15 | length 21.5
  Top Layer w0.254: U5.22@87.396,67.312 87.376,67.292 87.376,51.689 88.072,50.993 R68.2@89.027,50.993 R68.2@89.027,50.8
  Top Layer w0.508: R68.2@89.027,50.8 89.408,50.419 U16.15@89.408,47.202
LEFTSENSOR-CLOSE: LED9.2 P12.7 U16.4 | length 43.2
  Top Layer w0.5: U16.4@91.948,40.202 91.948,37.592 92.837,36.703 93.853,36.703 94.361,36.195 LED9.2@94.361,34.986
  Top Layer w1.2: LED9.2@94.361,34.986 95.824,34.986 ; P12.7@110.357,6.096 P12.7@110.426,6.165
  Top Layer w1.5: 95.824,34.986 96.647,34.163 96.647,26.035 110.426,12.255 P12.7@110.426,6.165
LEFTSENSOR-OPEN: LED8.2 P12.6 U16.2 | length 46.7
  Top Layer w0.5: 89.408,34.925 U16.2@89.408,40.202
  Top Layer w1.2: LED8.2@86.233,32.258 89.408,32.258
  Top Layer w1.5: 89.535,34.925 89.535,32.512 89.535,25.908 92.456,22.987 96.647,22.987 106.397,13.237 P12.6@106.397,6.096
NetBUTTON1_1: BUTTON1.1 BUTTON1.2 U5.10 | length 37
  Top Layer w0.254: U5.10@83.046,72.162 88.037,72.162 v5(89.154,73.279) ; v3(107.569,74.93) 109.477,74.93 BUTTON1.1@109.549,75.002 BUTTON1.2@109.549,84.002
  Bottom Layer w0.254: v5(89.154,73.279) 89.154,73.787 90.297,74.93 v3(107.569,74.93)
NetC8_1: C8.1 U3.2 | length 7
  Top Layer w0.508: U3.2@27.686,80.772 v5(29.21,80.772)
  Top Layer w0.6: v5(29.21,77.216) 29.525,76.901 C8.1@29.525,75.438
  Bottom Layer w0.508: v5(29.21,77.216) v5(29.21,80.772)
NetC10_1: C10.1 U3.6 | length 6.4
  Top Layer w0.508: U3.6@27.686,85.852 29.591,85.852 30.099,86.36 30.099,87.884 30.668,88.453 C10.1@32.131,88.453
NetC11_1: C11.1 U3.3 | length 6
  Top Layer w0.508: U3.3@27.686,82.042 29.464,82.042 30.226,81.28 30.226,80.264 30.8,79.69 C11.1@32.131,79.69
NetC11_2: C11.2 U3.1 | length 5.2
  Top Layer w0.508: U3.1@27.686,79.502 28.575,79.502 30.287,77.79 C11.2@32.131,77.79
NetC12_1: C12.1 U3.4 | length 4.9
  Top Layer w0.508: U3.4@27.686,83.312 29.591,83.312 30.795,82.108 C12.1@32.131,82.108
NetC12_2: C12.2 U3.5 | length 4.7
  Top Layer w0.508: U3.5@27.686,84.582 29.972,84.582 30.546,84.008 C12.2@32.131,84.008
NetCB1_2: CB1.2 U4.6 | length 9.3
  Top Layer w0.6: U4.6@114.173,103.505 120.142,103.505 121.031,104.394 CB1.2@121.031,106.426
NetD2_1: D2.1 R2.2 | length 2.5
  Top Layer w0.254: R2.2@14.92,88.392 D2.1@17.465,88.392
NetD3_1: D3.1 R3.2 | length 2.6
  Top Layer w0.254: R3.2@14.92,85.471 15.047,85.598 D3.1@17.465,85.598
NetD4_2: D4.2 U5.1 | length 26.4
  Top Layer w0.254: D4.2@58.801,81.788 63.754,81.788 65.659,79.883 78.359,79.883 81.58,76.662 U5.1@83.046,76.662
NetD6_2: D6.2 D8.2 F3.1 Q17.3 Q19.3 | length 54.3
  Top Layer w1.5: Q19.3@64.502,26.356 64.502,28.307 65.278,29.083 73.279,29.083 76.959,32.763 F3.1@79.121,32.763 81.156,32.763 81.791,32.128 81.791,26.373 Q17.3@81.774,26.356 ; D8.2@76.922,7.112 D6.2@76.922,10.668 ; D6.2@76.922,10.795 D6.2@76.922,10.668 ; v4(80.772,12.319) 79.121,10.668 D6.2@76.922,10.668
  Bottom Layer w1.5: v4(80.772,12.319) 80.772,18.415 81.788,19.431 v4(81.788,30.861)
NetD10_2: D10.2 D12.2 F4.1 Q18.3 Q21.3 | length 61.1
  Top Layer w1.5: v4@121.853,26.483 Q21.3@123.43,26.483 ; Q18.3@140.575,26.483 F4.1@140.575,34.925 ; D12.2@145.248,6.985 D10.2@145.248,11.176 v4(148.717,11.176)
  Bottom Layer w1.5: v4(121.666,26.477) 139.761,26.477 ; v4(140.575,29.525) 140.575,27.291 139.761,26.477 ; v4(148.717,11.176) 148.717,22.606 144.846,26.477 139.761,26.477
NetF2_1: F2.1 U2.2 U2.4 | length 11.7
  Top Layer w1: F2.1@40.008,81.788 45.391,81.788 U2.4@45.466,81.863 U2.2@45.466,88.063
NetLED1_1: LED1.1 R1.2 | length 2.7
  Top Layer w1.27: R1.2@52.263,84.455 LED1.1@52.263,87.122
NetLED2_1: LED2.1 R4.2 | length 2.5
  Top Layer w0.254: LED2.1@112.442,90.678 R4.2@114.987,90.678
NetLED3_1: LED3.1 R5.2 | length 2.5
  Top Layer w0.254: LED3.1@112.442,93.472 R5.2@114.987,93.472
NetLED4_1: LED4.1 R11.2 | length 2.5
  Top Layer w0.3: R11.2@79.182,87.122 LED4.1@81.727,87.122
NetLED4_2: LED4.2 U5.57 | length 11.5
  Top Layer w0.254: LED4.2@83.627,87.122 85.217,87.122 85.344,86.995 88.396,83.943 U5.57@88.396,78.512
NetLED5_1: LED5.1 R10.2 | length 2.7
  Top Layer w0.6: LED5.1@58.862,79.121 R10.2@61.534,79.121
NetLED5_2: LED5.2 U5.9 | length 33.1
  Top Layer w0.254: v5@80.264,72.644 v5(80.282,72.662) U5.9@83.046,72.662
  Top Layer w1: v8(56.896,76.962) 56.896,79.055 LED5.2@56.962,79.121
  Bottom Layer w0.254: v8(56.896,76.962) 59.182,79.248 75.565,79.248 80.282,74.531 v5(80.282,72.662)
NetLED6_1: LED6.1 R60.2 | length 3.5
  Top Layer w1: LED6.1@152.654,26.228 152.72,26.162 R60.2@152.72,22.733
NetLED7_1: LED7.1 R63.2 | length 3.4
  Top Layer w0.8: R63.2@108.138,29.845 108.138,31.811 108.458,32.131 LED7.1@108.458,33.086
NetLED8_1: LED8.1 R66.2 | length 3.9
  Top Layer w0.5: LED8.1@84.267,32.004 84.455,32.192 84.455,33.401 85.024,33.97 R66.2@85.024,35.56
NetLED9_1: LED9.1 R69.2 | length 3
  Top Layer w0.5: R69.2@94.041,30.226 94.041,31.303 94.361,31.623 LED9.1@94.361,33.086
NetLED10_1: LED10.1 R41.2 | length 2.5
  Top Layer w1: R41.2@149.098,126.238 LED10.1@151.577,126.238
NetLED11_1: LED11.1 R43.2 | length 3.9
  Top Layer w1: R43.2@145.923,111.821 LED11.1@145.923,115.763
NetLED12_1: LED12.1 R28.2 | length 2.9
  Top Layer w0.254: LED12.1@94.488,94.422 97.395,94.422 R28.2@97.409,94.436
NetLED13_1: LED13.1 R29.2 | length 2.9
  Top Layer w0.254: R29.2@83.439,94.281 LED13.1@86.346,94.281 ; LED13.1@86.346,94.436 LED13.1@86.36,94.422
NetLED14_1: LED14.1 LED16.2 R101.2 | length 5.7
  Top Layer w1: R101.2@59.878,11.049 59.944,10.983 LED14.1@62.992,10.983 ; LED14.1@63.119,10.856 LED16.2@65.659,10.856
NetLED15_1: LED15.1 LED17.2 R102.2 | length 6.6
  Top Layer w1: R102.2@127.061,10.668 128.397,10.668 129.098,9.967 LED17.2@130.556,9.967 LED15.1@133.35,9.967
NetLED18_1: LED18.1 R13.2 | length 2.7
  Top Layer w0.254: LED18.1@73.152,94.281 R13.2@75.819,94.281
NetLED19_1: LED19.1 R14.2 | length 2.9
  Top Layer w0.254: R14.2@61.087,94.295 LED19.1@64.008,94.295
NetLED20_1: LED20.1 R42.2 | length 2.7
  Top Layer w0.5: R42.2@133.03,106.426 LED20.1@135.702,106.426
NetLED21_1: LED21.1 R40.2 | length 2.5
  Top Layer w1: R40.2@149.098,123.571 LED21.1@151.577,123.571
NetLED22_1: LED22.1 R78.2 | length 3.5
  Top Layer w0.8: R78.2@101.153,29.845 101.153,31.303 101.727,31.877 LED22.1@101.727,33.086
NetLED23_1: LED23.1 R127.2 | length 3.5
  Top Layer w1: LED23.1@158.369,26.228 158.435,26.162 R127.2@158.435,22.733
NetLED24_1: LED24.1 R128.2 | length 3.9
  Top Layer w1: LED24.1@164.465,26.355 164.465,25.146 165.034,24.577 R128.2@165.034,22.733
NetQ1_1: Q1.1 R31.2 | length 3.2
  Top Layer w0.254: Q1.1@70.465,97.475 Q1.1@70.485,97.455 ; R31.2@70.485,94.281 Q1.1@70.485,97.475
NetQ1_3: Q1.3 R34.2 U6.2 U6.3 | length 9.2
  Top Layer w0.254: R34.2@64.135,98.171 Q1.3@67.904,98.171 ; U6.2@67.945,102.537 U6.3@69.215,102.537 ; U6.2@67.945,102.616 67.945,98.445 Q1.3@67.965,98.425
NetQ2_1: Q2.1 R33.2 | length 3.5
  Top Layer w0.254: R33.2@91.44,94.295 91.44,95.885 91.801,96.246 Q2.1@91.801,97.348 ; Q2.1@91.801,97.602 91.801,97.328 Q2.1@91.821,97.308
NetQ2_3: Q2.3 R35.2 U8.2 U8.3 | length 9.3
  Top Layer w0.254: R35.2@85.786,98.298 Q2.3@89.301,98.298 89.301,102.771 U8.2@89.281,102.791 U8.3@90.551,102.791
NetQ3_1: Q3.1 R21.2 R25.1 U7.14 | length 20.2
  Top Layer w0.5: 25.4,47.244 Q3.1@23.816,47.244 23.825,47.253 32.639,47.253 32.954,46.938 R25.1@32.954,43.307 ; R21.2@32.954,45.847 33.208,45.593 U7.14@38.529,45.593
NetQ4_1: Q4.1 R23.2 R27.1 U7.10 | length 25.5
  Top Layer w0.5: Q4.1@23.816,65.024 30.353,65.024 32.954,62.423 R23.2@32.954,56.769 R27.1@32.954,54.102 33.147,54.102 36.576,50.673 U7.10@38.529,50.673
NetQ5_1: Q5.1 R26.1 U7.12 | length 21
  Top Layer w0.508: Q5.1@23.816,56.134 24.892,56.134 25.908,55.118 25.908,50.927 26.797,50.038 32.385,50.038 32.954,49.469 R26.1@32.954,48.641 33.462,48.133 U7.12@38.529,48.133
NetQ6_1: Q6.1 R58.1 R59.2 U11.10 | length 19.3
  Top Layer w0.5: Q6.1@23.816,29.704 26.811,29.704 28.067,28.448 32.004,28.448 32.319,28.133 ; R59.2@32.319,30.099 32.319,28.133 ; U11.10@37.386,23.749 35.941,23.749 34.798,24.892 34.798,25.908 33.782,26.924 R58.1@32.319,26.924 32.319,28.133
NetQ7_1: Q7.1 R56.1 R72.2 U11.14 | length 19.4
  Top Layer w0.5: Q7.1@23.816,12.305 25.386,12.305 27.559,14.478 31.75,14.478 32.319,15.047 32.319,15.875 R56.1@32.319,16.129 ; R72.2@32.319,18.669 R56.1@32.319,16.129 ; U11.14@37.386,18.669 36.068,18.669 33.528,16.129 R56.1@32.319,16.129
NetQ8_1: Q8.1 R24.1 U7.16 | length 21.2
  Top Layer w0.5: Q8.1@23.816,38.481 25.781,38.481 28.067,36.195 32.385,36.195 32.954,36.764 R24.1@32.954,38.227 ; R24.1@32.954,38.481 37.338,38.481 38.529,39.672 U7.16@38.529,43.053
NetQ9_1: Q9.1 R57.1 U11.12 | length 15.5
  Top Layer w0.5: Q9.1@23.816,20.814 25.259,20.814 27.051,22.606 32.004,22.606 32.319,22.291 R57.1@32.319,21.209 U11.12@37.386,21.209
NetQ10_1: Q10.1 R55.1 U11.16 | length 23.1
  Top Layer w0.5: Q10.1@23.816,3.669 29.577,3.669 32.319,6.411 R55.1@32.319,10.16 35.052,10.16 37.386,12.494 U11.16@37.386,16.129
NetQ11_1: Q11.1 R83.1 R84.2 U13.14 | length 28.7
  Top Layer w0.5: U13.14@137.112,70.485 139.319,70.485 v2(141.986,73.152) R83.1@143.957,73.152 R84.2@143.957,70.485 ; v2@153.67,77.23 Q11.1@156.905,77.23
  Bottom Layer w0.5: v2(141.986,73.152) 141.986,75.692 143.51,77.216 v2(153.67,77.216)